# Altium PCB Pan-tilt190726.PcbDoc
Units mil, origin at the board's own origin, x right, y up, seen from the top; angles counter-clockwise.
Board outline 2559.06 x 1889.76 mil, 2 copper layers (Top Layer, Bottom Layer); 49 components, 39 nets, 234 pads, 28 vias.
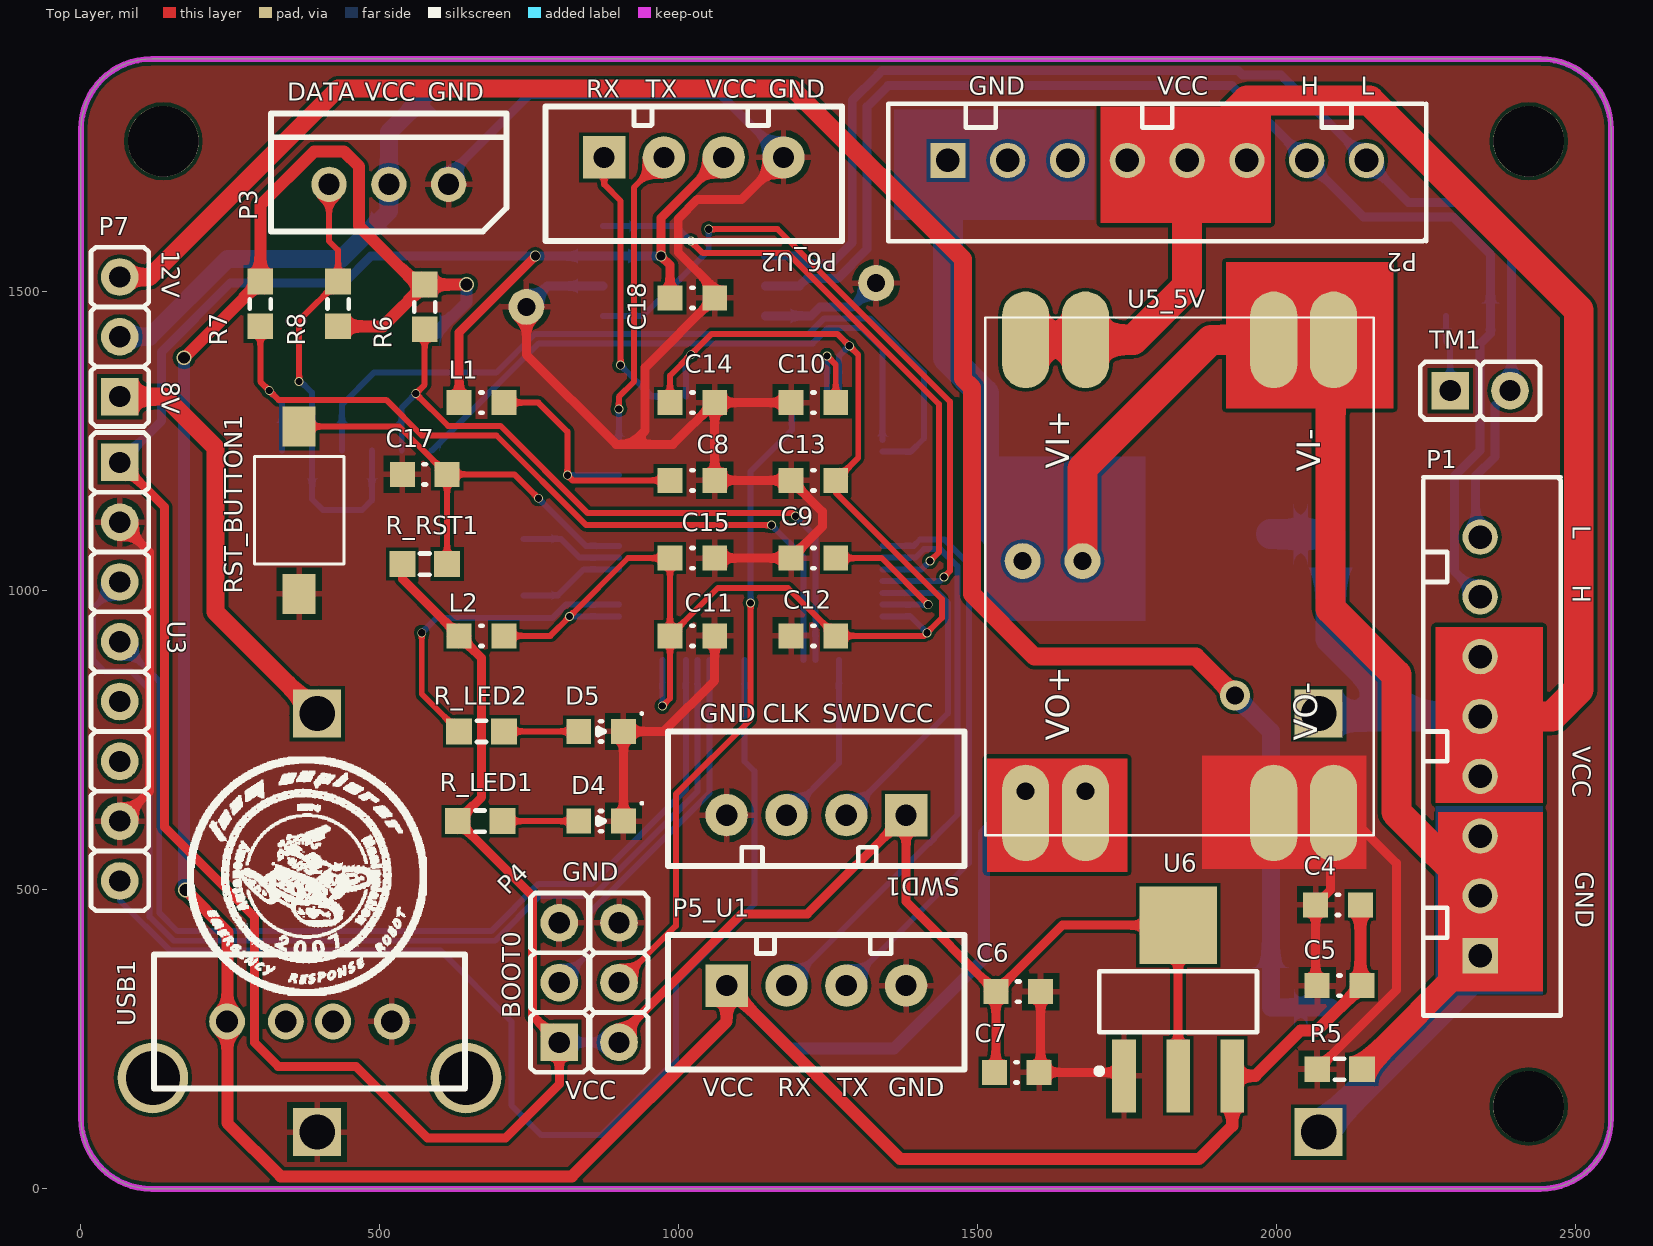
[diagram p0: Top Layer view]
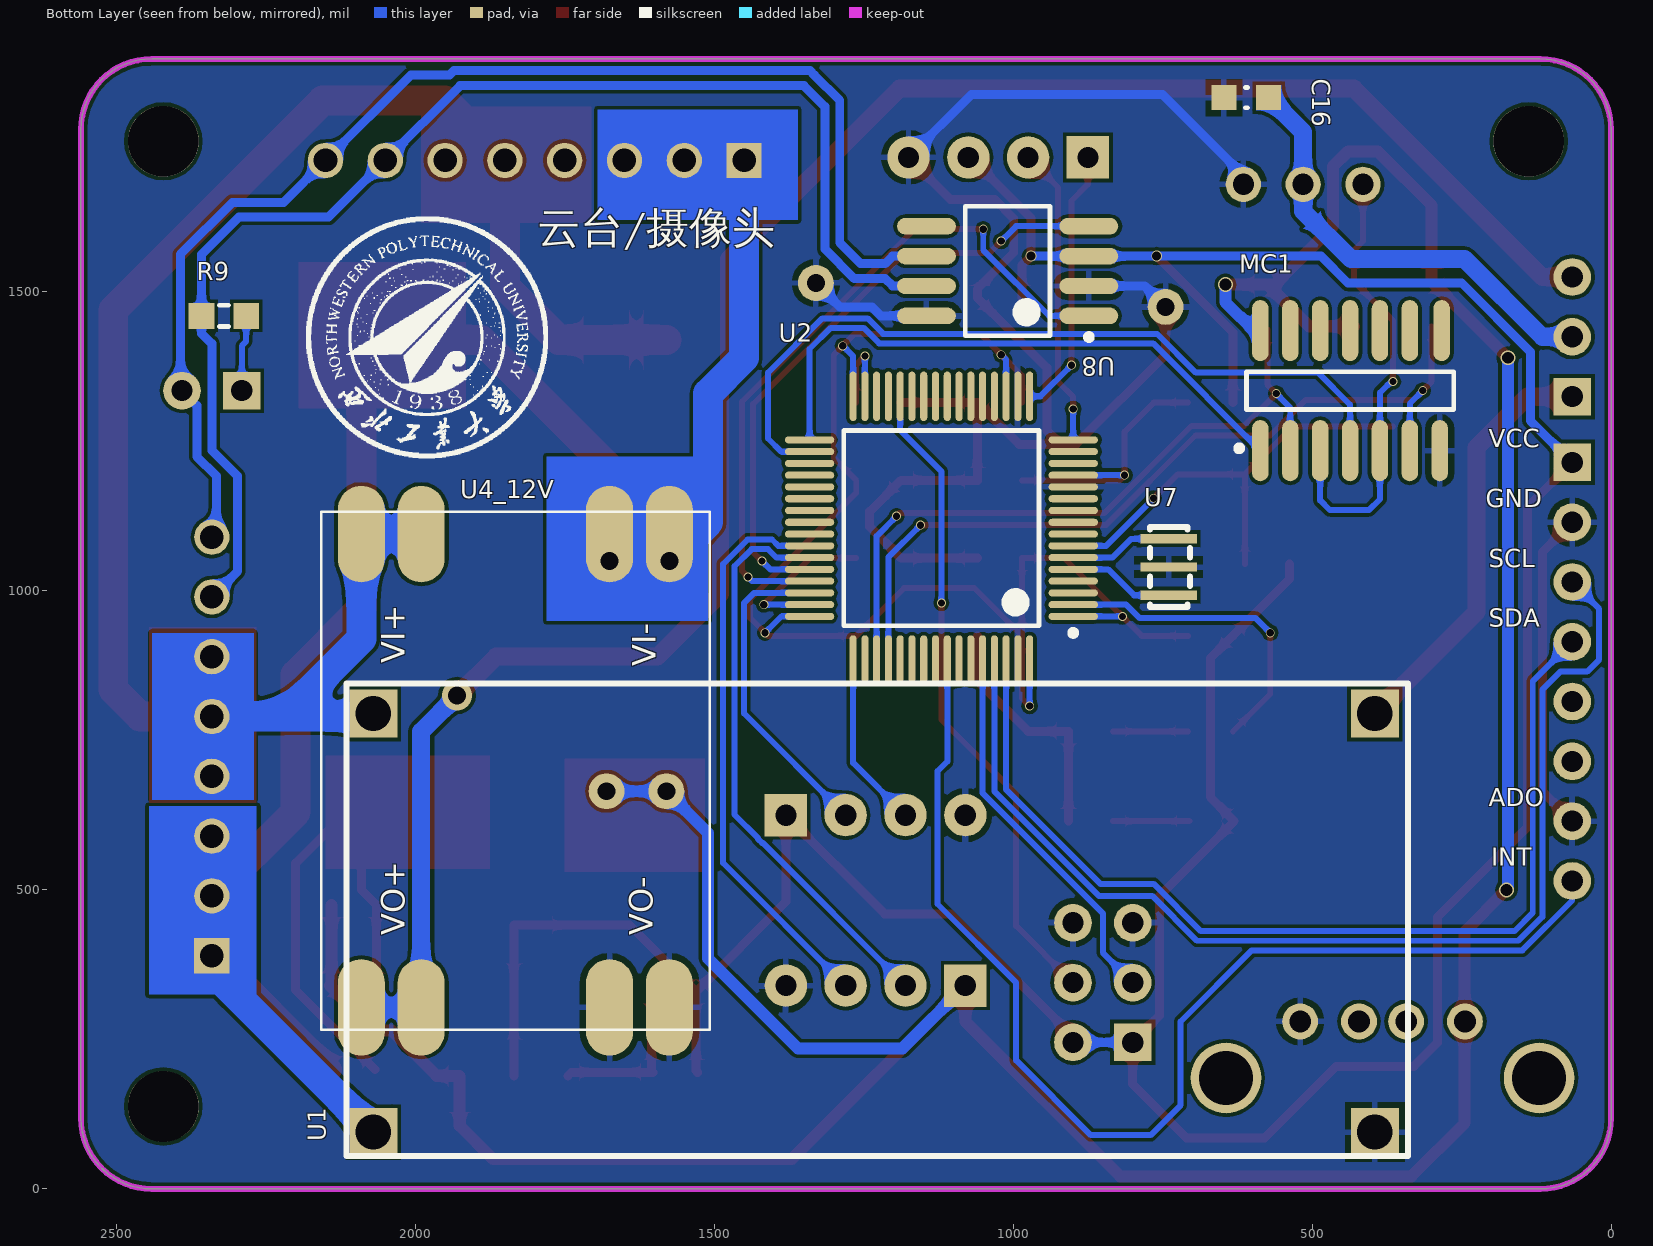
[diagram p1: Bottom Layer view, seen from below]

## Layer stack, top to bottom
Top Solder: solder mask 0.4, Solder Resist, Dk 3.5
Top Layer: signal copper 1.4
Dielectric 1: dielectric 12.6, FR-4, Dk 4.8
Bottom Layer: signal copper 1.4
Bottom Solder: solder mask 0.4, Solder Resist, Dk 3.5

## Board outline
0,118.11 0,1771.65 cw(c118.11,1771.65) 118.11,1889.76 2440.94,1889.76 cw(c2440.94,1771.65) 2559.06,1771.65 2559.06,118.11 cw(c2440.94,118.11) 2440.94,0 118.11,0 cw(c118.11,118.11)

## Design rules (kind name [scope] priority, off if disabled: settings)
Clearance [All] p1: gap=6 ignorepadtopadclearanceinfootprint=FALSE
DiffPairsRouting [All] p1: maxlimit=10 minlimit=10 mostfreqgap=10 toplayer_minwidth=15 toplayer_maxwidth=15 toplayer_prefwidth=15 bottomlayer_minwidth=15 bottomlayer_maxwidth=15 bottomlayer_prefwidth=15 maxuncoupledlength=500
PolygonConnect [All] p1: connectstyle=Relief reliefconductorwidth=10 reliefentries=4 polygonreliefangle="90 Angle" airgapwidth=10
RoutingVias [All] p1: holewidth=12 width=15 viastyle="Through Hole" minholewidth=12 minwidth=15 maxholewidth=28 maxwidth=50
SolderMaskExpansion [All] p1: expansion=4
Width [All] p1: maxlimit=50 minlimit=10 preferedwidth=10
Width Width_7 [InNet('VCC_8')] p2: maxlimit=50 minlimit=10 preferedwidth=30
Width Width_1 [InNet('VCC_12')] p3: maxlimit=30 minlimit=10 preferedwidth=30
Width Width_2 [InNet('PGND')] p4: maxlimit=50 minlimit=10 preferedwidth=20
Width Width_3 [InNet('VCC_5')] p5: maxlimit=25 minlimit=10 preferedwidth=20
Width Width_4 [InNet('VCC_3.3')] p6: maxlimit=20 minlimit=10 preferedwidth=15
Width Width_5 [InNet('GND')] p7: maxlimit=50 minlimit=10 preferedwidth=15
Width Width_6 [All] p8: maxlimit=15 minlimit=10 preferedwidth=10
29 further rules are at their usual default settings.

## Classes and differential pairs
differential pair CAN1: +CAN1_P -CAN1_N

## Components (designator, comment, footprint, x,y, rotation, side; value= is the part's Value field where it differs from the comment)
C4 "104" C0603/1608 2102.4,475 r180 top
C5 "104" C0603/1608 2105,340 r180 top
C6 "104" C0603/1608 1567.6,330 r0 top
C7 "104" C0603/1608 1565,195 r0 top
C8 "104" C0603/1608 1022.6,1185 r180 top
C9 "225" C0603/1608 1225,1055 r180 top
C10 "225" C0603/1608 1225,1315 r180 top
C11 "104" C0603/1608 1022.6,925 r0 top
C12 "104" C0603/1608 1225,925 r180 top
C13 "104" C0603/1608 1225,1185 r180 top
C14 "104" C0603/1608 1022.6,1315 r0 top
C15 "104" C0603/1608 1022.6,1055 r0 top
C16 "104" C0603/1608 610,1825 r180 bottom
C17 "104" C0603/1608 575,1195 r0 top
C18 "104" C0603/1608 1022.6,1490 r180 top
D4 "LED Green" LED0603-绿色 870,615 r0 top
D5 "LED Green" LED0603-绿色 870,765 r0 top
L1 "UPZ1608E101" L0603/1608 670,1315 r0 top
L2 "UPZ1608E101" L0603/1608 670,925 r0 top
MC1 "74hc126" SOP-14 435,1335 r90 bottom
P1 "Header 8" XH2.54-8P（立式） 2340,390 r90 top
P2 "Header 8" XH2.54-8P（立式） 1450,1720 r0 top
P3 "舵机接口" 5263-3P（立式） 515,1680 r180 top
P4 "Header 3X2" Header-2.54-2*3P（立式） 800,245 r90 top
P5_U1 "Header-1*4P" XH2.54-4P（立式） 1230,340 r180 top (schematic designator P5)
P6_U2 "Header-1*4P" XH2.54-4P（立式） 1025,1725 r180 top (schematic designator P6)
P7 "Header 3" Header-2.54-1*3P（立式） 65,1325 r90 top
R5 "0R" R0603/1608 2105,200 r180 top
R6 "10KΩ" R0603/1608 575,1475 r90 top
R7 "10KΩ" R0603/1608 300,1480 r90 top
R8 "10KΩ" R0603/1608 430,1480 r270 top
R9 "120R" R0603/1608 2320,1460 r180 bottom
R_LED1 "1K" R0603/1608 667.6,615 r0 top
R_LED2 "4.7K" R0603/1608 670,765 r0 top
R_RST1 "R_10K" R0603/1608 575,1045 r0 top
RST_BUTTON1 "RST_BUTTON" SW-PB 365,1135 r270 top
SWD1 "SWD" XH2.54-4P（立式） 1230,625 r0 top
TM1 "Header2" Header-2.54-1*2P（立式） 2290,1335 r0 top
U1 "LM2596" LM2596_big 1283.43,476.89 r270 bottom
U2 "STM32F405RGT6" LQFP64 1120,1105 r0 bottom
U3 "mpu6050" Header-2.54-1*8P（立式） 65,1215 r270 top
U4_12V "降压DM02" DM02 2089.96,1095 r90 bottom (schematic designator U4)
U5_5V "降压DM02" DM02 1580,1420 r90 top (schematic designator U5)
U6 "1117_WYN" SOT-223 1835,315 r90 top
U7 "XTAL_3312" XTAL-3213 740,1040 r90 bottom
U8 "TJA1050" SOP-8 1009.17,1535 r0 bottom
USB1 "USB_A" "USB_A Receptacle - 直插" 382.2,280 r0 top
云台/摄像头 "Comment" Logo-nwpu 1970,1430 r180 bottom
? "Comment" logo_RESCUE 380,510 r0 top

## Footprints (in the part's own frame and the unit in brackets; to place one, negate y for a bottom-side part, rotate by r counter-clockwise, add the part's x,y. Pads: shape width x height; smd on the part's side, far side on the other; paste and mask are expansions set on the pad)
5263-3P（立式） [mm]
  round 1.5 hole 0.9: 1(-2.54,0) 2(0,0) 3(2.54,0)
  silkscreen extent -5,-3 5,2, body extent -5.08,-3.18 5.08,2.16, height 6
C0603/1608 [mm] "0603/1608贴片陶瓷电容"
  rect 1.06x1.06 smd: 1(-0.95,0) 2(0.95,0)
  silkscreen extent -0.05,-0.43 0.05,0.43, body extent -1.29,-0.48 1.31,0.53, height 0.95
DM02 [mm] "DM02稳压模块"
  oval 4.1x2 smd: 1(0,-2.54) 1(0,0) 2(0,-10.54) 3(-20.1,-2.54) 3(-20.1,0) 4(-20.1,-13.08) 4(-20.1,-10.54)
  oval 4.1x2 smd mask+0.102: 2(0,-13.08)
  silkscreen extent -21.05,-14.79 0.95,1.71, body extent -20.95,-14.74 0.89,1.64, height 4
Header-2.54-1*2P（立式） [mm] "2.54mm间距单排立式排针2P"
  rect 1.6x1.6 hole 0.9: 1(0,0)
  round 1.6 hole 0.9: 2(2.54,0)
  silkscreen extent -1.27,-1.23 3.81,1.23, body extent -1.27,-1.27 3.81,1.27, height 8.54
Header-2.54-1*3P（立式） [mm] "2.54mm间距单排立式排针3P"
  rect 1.6x1.6 hole 0.9: 1(0,0)
  round 1.6 hole 0.9: 2(2.54,0) 3(5.08,0)
  silkscreen extent -1.27,-1.23 6.35,1.23, body extent -1.27,-1.27 6.35,1.27, height 8.54
Header-2.54-1*8P（立式） [mm] "2.54mm间距单排立式排针8P"
  rect 1.6x1.6 hole 0.9: 1(0,0)
  round 1.6 hole 0.9: 2(2.54,0) 3(5.08,0) 4(7.62,0) 5(10.16,0) 6(12.7,0) 7(15.24,0) 8(17.78,0)
  silkscreen extent -1.27,-1.23 19.05,1.23, body extent -1.27,-1.27 19.05,1.27, height 8.54
Header-2.54-2*3P（立式） [mm] "2.54mm间距双排立式排针3P"
  rect 1.6x1.6 hole 0.9: 1(0,0)
  round 1.6 hole 0.9: 2(0,-2.54) 3(2.54,0) 4(2.54,-2.54) 5(5.08,0) 6(5.08,-2.54)
  silkscreen extent -1.27,-3.77 6.35,1.23, body extent -1.27,-3.81 6.35,1.27, height 8.54
L0603/1608 [mm] "0603/1608贴片磁珠"
  rect 1.06x1.06 smd: 1(-0.95,0) 2(0.95,0)
  silkscreen extent -0.05,-0.43 0.05,0.43, body extent -0.9,-0.5 0.9,0.5, height 1
LED0603-绿色 [mm]
  rect 1.06x1.06 smd: 1(-0.95,0) 2(0.95,0)
  silkscreen extent -0.13,-0.43 1.78,0.81, body extent -0.8,-0.4 0.8,0.4, height 0.35
LM2596_big [mil]
  rect 80x80 hole 59.06: 1(-318.11,-786.57) 2(381.89,-786.57) 3(-318.11,888.43) 4(381.89,888.43)
  silkscreen extent -368,-832 422,943, body extent -387,-801 440,911, height 520
Logo-nwpu [mil]
  silkscreen extent -212,-208 192,195
logo_RESCUE [mil]
  silkscreen extent -202,-186 198,213
LQFP64 [mm]
  oval 2.1x0.3 smd: 1(-5.6,3.75) 2(-5.6,3.25) 3(-5.6,2.75) 4(-5.6,2.25) 5(-5.6,1.75) 6(-5.6,1.25) 7(-5.6,0.75) 8(-5.6,0.25) 9(-5.6,-0.25) 10(-5.6,-0.75) 11(-5.6,-1.25) 12(-5.6,-1.75) 13(-5.6,-2.25) 14(-5.6,-2.75) 15(-5.6,-3.25) 16(-5.6,-3.75) 33(5.6,-3.75) 34(5.6,-3.25) 35(5.6,-2.75) 36(5.6,-2.25) 37(5.6,-1.75) 38(5.6,-1.25) 39(5.6,-0.75) 40(5.6,-0.25) 41(5.6,0.25) 42(5.6,0.75) 43(5.6,1.25) 44(5.6,1.75) 45(5.6,2.25) 46(5.6,2.75) 47(5.6,3.25) 48(5.6,3.75)
  oval 0.3x2.1 smd: 17(-3.75,-5.6) 18(-3.25,-5.6) 19(-2.75,-5.6) 20(-2.25,-5.6) 21(-1.75,-5.6) 22(-1.25,-5.6) 23(-0.75,-5.6) 24(-0.25,-5.6) 25(0.25,-5.6) 26(0.75,-5.6) 27(1.25,-5.6) 28(1.75,-5.6) 29(2.25,-5.6) 30(2.75,-5.6) 31(3.25,-5.6) 32(3.75,-5.6) 49(3.75,5.6) 50(3.25,5.6) 51(2.75,5.6) 52(2.25,5.6) 53(1.75,5.6) 54(1.25,5.6) 55(0.75,5.6) 56(0.25,5.6) 57(-0.25,5.6) 58(-0.75,5.6) 59(-1.25,5.6) 60(-1.75,5.6) 61(-2.25,5.6) 62(-2.75,5.6) 63(-3.25,5.6) 64(-3.75,5.6)
  silkscreen extent -5.72,-4.15 4.15,4.57, body extent -6,-6 6,6, height 1.6
R0603/1608 [mm] "0603/1608贴片电阻"
  rect 1.1x1.1 smd: 1(-0.95,0) 2(0.95,0)
  silkscreen extent -0.2,-0.45 0.2,0.45, body extent -0.8,-0.4 0.8,0.4, height 0.45
SOP-8 [mm]
  oval 2.5x0.7 smd: 1(-3.45,1.905) 2(-3.45,0.635) 3(-3.45,-0.635) 4(-3.45,-1.905) 5(3.45,-1.905) 6(3.45,-0.635) 7(3.45,0.635) 8(3.45,1.905)
  silkscreen extent -3.57,-2.75 1.8,2.93, body extent -2.73,-2.75 2.73,2.75, height 2.13
SOP-14 [mm]
  oval 2.6x0.7 smd: 1(-2.55,3.85) 2(-2.55,2.58) 3(-2.55,1.31) 4(-2.55,0.04) 5(-2.55,-1.23) 6(-2.55,-2.5) 7(-2.55,-3.77) 8(2.55,-3.85) 9(2.55,-2.5) 10(2.55,-1.23) 11(2.55,0.04) 12(2.55,1.31) 13(2.55,2.58) 14(2.55,3.85)
  silkscreen extent -2.57,-4.36 0.8,4.88, body extent -2,-4.34 2,4.42, height 1.75
SOT-223 [mm]
  rect 3.1x1 smd: 1(-3.2,2.3) 2(-3.2,0) 3(-3.2,-2.3)
  rect 3.3x3.3 smd: 4(3.2,0)
  silkscreen extent -3.12,-3.35 1.25,3.47, body extent -1.9,-3.35 1.8,3.35, height 1.8
SW-PB [mm] "2脚贴片按键"
  rect 1.7x1.4 smd: 1(-3.556,0) 2(3.556,0)
  silkscreen extent -2.29,-1.9 2.29,1.91, body extent -5,-1.75 5,1.75, height 4.3
"USB_A Receptacle - 直插" [mm]
  round 1.524 hole 0.92: 1(-3.5,0) 2(-1,0) 3(1,0) 4(3.5,0)
  round 3 hole 2.3: 5(-6.65,-2.4) 5(6.65,-2.4)
  silkscreen extent -6.6,-2.85 6.6,2.85
XH2.54-4P（立式） [mm] "立式直针座子"
  rect 1.8x1.8 hole 0.9: 1(3.81,0)
  round 1.8 hole 0.9: 2(1.27,0) 3(-1.27,0) 4(-3.81,0)
  silkscreen extent -6.3,-2.16 6.3,3.56, body extent -6.18,-2.24 6.22,3.51, height 7
XH2.54-8P（立式） [mm]
  rect 1.5x1.5 hole 1: 1(0,0)
  round 1.5 hole 1: 2(2.54,0) 3(5.08,0) 4(7.62,0) 5(10.16,0) 6(12.7,0) 7(15.24,0) 8(17.78,0)
  silkscreen extent -2.54,-3.43 20.32,2.41, body extent -2.31,-3.34 20.09,2.41, height 7
XTAL-3213 [mm]
  rect 0.4x2.4 smd: 1(-1.2,0) 2(0,0) 3(1.2,0)
  silkscreen extent -1.7,-0.9 1.7,0.8, body extent -1.63,-0.76 1.57,0.74, height 0.8

## Part data
C4 C5 C6 C7 C16 C18: library part CAP_WYN
C8 C9 C10 C11 C12 C13 C14 C15 C17: library part Capacitor
D4 D5: library part LED, Color=Green
L1 L2: library part 磁珠, "贴片磁珠"
P1 P2: "Header, 8-Pin", LatestRevisionDate=17-Jul-2002, LatestRevisionNote="Re-released for DXP Platform.", Publisher="Altium Limited"
P4: "Header, 3-Pin, Dual row", LatestRevisionDate=17-Jul-2002, LatestRevisionNote="Re-released for DXP Platform.", Publisher="Altium Limited"
P5_U1 P6_U2: "单排4P排针"
P7: "Header, 3-Pin", LatestRevisionDate=17-Jul-2002, LatestRevisionNote="Re-released for DXP Platform.", Publisher="Altium Limited"
R5 R9: library part Resistor
R6 R7 R8 R_LED1 R_LED2: library part RES_WYN
R_RST1: library part R
U1: library part 降压DM02
U2: "微控制器STM32F405RGT6"

## Free pads (board coordinates)
  round 118.11 hole 118.11: 30(137.8,1751.97) 30(2421.26,137.8) 30(2421.26,1751.97)
  round 60 hole 30: 31(1580,665) 32(1680,665) 33(1575,1050) 34(1675,1050) 35(745,1475) 36(1330,1515)

## Via types
v1: diameter 15, hole 12, Top Layer to Bottom Layer, 22 vias
v2: diameter 25, hole 20, Top Layer to Bottom Layer, 3 vias
v3: diameter 18, hole 15, Top Layer to Bottom Layer, 2 vias
v4: diameter 50, hole 30, Top Layer to Bottom Layer, 1 vias

## Nets (pads, with @x,y where several pads share a name; then routed paths per layer and width w, separated by ;. In a path a pad name is that pad's centre, name@x,y a point inside that pad or via, vN(x,y) a via of type N, cw(c..) or ccw(c..) an arc to the next point about the centre after c; other vN are vias at no path point)
AX12_DATA: MC1.3 MC1.5 P3.3 R8.1 | length 768
  Top Layer w10: v1(365,1350) 365,1452.4 R8.1 430,1570 415,1585 P3.3
  Bottom Layer w10: v1(365,1350) 368.15,1350 386.57,1331.57 MC1.5 386.57,1153.43 405,1135 470,1135 486.57,1151.57 MC1.3
BOOT0: P4.3 U2.60 | length 643.5
  Bottom Layer w10: P4.3 850,395 850,460.67 1051.1,661.77 U2.60
BOOT1: P4.4 U2.28 | length 1100.1
  Top Layer w10: P4.4 995,440 995,660 1120,785 v1(1120,980)
  Bottom Layer w10: v1(1120,980) 1120,1200 1188.9,1268.9 U2.28
CAN1_N: P1.8 P2.8 TM1.2 U8.6 | length 2153.5
  Bottom Layer w15: U8.6 1201.71,1560 1214.21,1547.5 1255,1547.5 1290,1582.5 1290,1820.36 1332.32,1862.68 1339.64,1870 1935.36,1870 1942.68,1862.68 2007.32,1862.68 P2.8 2220,1650 2305.36,1650 2392.56,1562.8 2392.56,1337.56 TM1.2 2365,1310 2365,1224.64 2332.68,1192.32 2332.68,1097.32 P1.8
CAN1_P: P1.7 P2.7 R9.1 U8.7 | length 2222.9
  Bottom Layer w15: U8.7 1201.71,1510 1214.21,1522.5 1265.36,1522.5 1315,1572.14 1315,1810 1350,1845 1925,1845 P2.7 2145,1625 2295,1625 2357.4,1562.6 R9.1 2357.4,1430.85 2340,1413.45 2340,1235 2296.97,1191.97 2296.97,1033.03 P1.7
CAN1_RX: U2.44 U8.4 | length 1038.8
  Top Layer w10: v1(1020,1585) 1040,1565 1182.37,1565 1435,1312.37 1435,1065 v1(1420,1050)
  Bottom Layer w10: U8.4 995,1610 v1(1020,1585) ; U2.44 1406.1,1036.1 v1(1420,1050)
CAN1_TX: U2.45 U8.1 | length 1183.3
  Top Layer w10: v1(1050,1605) 1165,1605 1453.5,1316.5 1453.5,1033.5 v1(1443.21,1023.21)
  Bottom Layer w10: U8.1 940,1460 1050,1570 v1(1050,1605) ; U2.45 1436.42,1016.42 v1(1443.21,1023.21)
GND: C4.2 C5.2 C6.2 C7.2 C8.1 C9.2 C10.2 C11.2 C12.2 C13.2 C14.2 C15.2 C16.1 C17.1 C18.1 D4.2 D5.2 MC1.7 P3.1 P4.5 P4.6 P5_U1.4 P6_U2.4 pad.35 pad.36 R5.2 RST_BUTTON1.2 SWD1.4 U1.4 U2.12 U2.18 U2.63 U3.2 U3.7 U4_12V.4 U5_5V.4 U6.1 U7.2 U8.2 U8.8 USB1.4 | length 4965.2
  Top Layer w15: U3.7 115,665 115,1065 U3.2 ; pad.35 745,1395 895,1245 920,1245 ; D4.2 D5.2 975,765 1060,850 C11.2 ; C15.2 C9.2 1240,1107.4 1240,1132.6 C13.2 C8.1 C14.2 ; P6_U2.4 1105,1655 1031.16,1655 999,1622.84 999,1566 1060,1505 C18.1 943.5,1373.5 943.5,1268.5 920,1245 ; C10.2 C14.2 ; C6.2 1605,197.6 C7.2 1738.46,195 U6.1 ; R5.2 2200,332.4 2200,545 2110,635 2090,635 2090,500 C4.2 2065,342.6 C5.2 ; 920,1245 990,1245 C14.2
  Bottom Layer w15: P3.1 615,1695 750,1830 1070,1830 P6_U2.4 ; pad.35 780,1510 U8.2 ; U8.8 1221.21,1460 1235.71,1474.5 1289.5,1474.5 pad.36
INT: U2.57 U3.8 | length 1989.7
  Bottom Layer w10: U3.8 65,482.37 148.37,399 601,399 720,280 720,140 770,90 870,90 995,215 995,345 1126.43,476.43 1126.43,698.57 1110.16,714.84 U2.57
LED: R_LED2.1 U2.2 | length 539.9
  Top Layer w10: v1(570,930) 570,827.6 R_LED2.1
  Bottom Layer w10: v1(570,930) 595,955 788.84,955 810.88,977.05 U2.2
NetC8_2: C8.2 L1.2 U2.13 | length 460.3
  Top Layer w10: L1.2 765,1315 813.58,1266.42 v1(813.58,1193.58) 822.17,1185 C8.2
  Bottom Layer w10: v1(813.58,1193.58) U2.13
NetC9_1: C9.1 U2.47 | length 263.5
  Top Layer w10: C9.1 1339.09,1055 v1(1417.05,977.05)
  Bottom Layer w10: U2.47 v1(1417.05,977.05)
NetC10_1: C10.1 U2.31 | length 151.4
  Top Layer w10: v1(1247.95,1392.95) 1262.4,1378.5 C10.1
  Bottom Layer w10: U2.31 v1(1247.95,1392.95)
NetC11_1: C11.1 C12.1 C13.1 C14.1 C15.1 L2.2 U2.1 U2.19 U2.32 U2.48 U2.64 | length 2460.5
  Top Layer w10: L2.2 785,925 v1(817.36,957.36) 915,1055 C15.1 C11.1 ; v1(972.36,807.36) 985.2,820.2 C11.1 ; C14.1 985.2,1360.2 v1(1020,1395) 1055,1430 1265,1430 v1(1285,1410) 1300,1395 1300,1222.6 C13.1 1262.4,1164.02 1440,986.42 1440,955 v1(1415,930) 1410,925 C12.1 1182.4,1005 1065.2,1005 C11.1
  Bottom Layer w10: v1(817.36,957.36) U2.1 ; v1(972.36,807.36) U2.64 ; U2.19 1011.73,1386.73 v1(1020,1395) ; U2.32 1267.64,1392.64 v1(1285,1410) ; U2.48 1387.64,957.36 v1(1415,930)
NetD4_1: D4.1 R_LED1.2 | length 127.6
  Top Layer w10: R_LED1.2 D4.1
NetD5_1: D5.1 R_LED2.2 | length 125.2
  Top Layer w10: R_LED2.2 D5.1
NetR9_2: R9.2 TM1.1 | length 128.1
  Bottom Layer w10: R9.2 2282.6,1417.4 2290,1410 TM1.1
OSC_IN: U2.5 U7.1 | length 177.5
  Bottom Layer w10: U7.1 797.76,992.76 841.1,1036.1 U2.5
OSC_OUT: U2.6 U7.3 | length 172.6
  Bottom Layer w10: U7.3 802.76,1087.24 834.21,1055.79 U2.6
PB12: MC1.1 U2.33 | length 1005.6
  Bottom Layer w10: MC1.1 765.97,1414 1224,1414 1250,1440 1305,1440 1340.47,1404.53 U2.33
PB13: MC1.4 U2.34 | length 1336.6
  Bottom Layer w10: MC1.4 436.57,1311.57 490,1365 694.34,1365 759.34,1430 1217.37,1430 1243.37,1456 1319,1456 1410,1365 1410,1255 1387.95,1232.95 U2.34
PGND: P1.1 P1.2 P1.3 P2.1 P2.2 P2.3 pad.33 pad.34 R5.1 U1.2 U4_12V.2 U5_5V.2 | length 3098.8
  Top Layer w20: P1.1@2332.4,390 P1.1
  Top Layer w40: R5.1 P1.1@2332.4,390
  Top Layer w50: pad.34 1675,1205 1890,1420 U5_5V.2@1994.96,1420 ; U5_5V.2@2090,1416.34 2090,970 2200,860 2200,630 P1.2
  Bottom Layer w10: P1.1@2340,365 P1.1
  Bottom Layer w50: P2.1 1450,1390 1510,1330 1510,1115 pad.33 pad.34 ; U1.2 P1.1@2340,365
RST: C17.2 R_RST1.2 RST_BUTTON1.1 U2.7 | length 767.2
  Top Layer w10: RST_BUTTON1.1 532.4,1275 C17.2 ; R_RST1.2 C17.2 ; v1(765,1155) 725,1195 C17.2
  Bottom Layer w10: v1(765,1155) 844.53,1075.47 U2.7
SCL: U2.61 U3.3 | length 1900.6
  Bottom Layer w10: U3.3 20,970 20,885 40,865 85,865 115,835 115,455 155,415 692.63,415 767.63,490 856.71,490 1031.42,664.71 U2.61
SDA: U2.62 U3.4 | length 1689
  Bottom Layer w10: U3.4 131,849 131,461.63 161.63,431 686,431 765,510 854.08,510 1011.73,667.65 U2.62
ServoPower: C16.2 P3.2 P7.2 | length 750.8
  Bottom Layer w30: P7.2 115,1425 245,1555 435,1555 515,1635 P3.2 515,1767.4 C16.2
SWCLK: SWD1.3 U2.49 | length 295.8
  Bottom Layer w10: SWD1.3 1267.64,712.64 U2.49
SWDIO: SWD1.2 U2.46 | length 541.9
  Bottom Layer w10: SWD1.2 1450,795 1450,980 1433.27,996.73 U2.46
U1_RX: P5_U1.2 U2.43 | length 963.9
  Bottom Layer w10: P5_U1.2 1418.57,578.57 1419.99,578.57 1426.43,585.01 1426.43,586.43 1466,626 1466,1041.37 1437.37,1070 1410,1070 1395.79,1055.79 U2.43
U1_TX: P5_U1.3 U2.42 | length 955.8
  Bottom Layer w10: P5_U1.3 1485,545 1485,1045 1444,1086 1403.37,1086 1392.85,1075.47 U2.42
U2_RX: P6_U2.1 U2.17 | length 450.3
  Top Layer w10: P6_U2.1 875,1680 902.5,1652.5 v1(902.5,1377.5)
  Bottom Layer w10: v1(902.5,1377.5) 954.53,1325.47 U2.17
U2_TX: P6_U2.2 U2.16 | length 503.6
  Top Layer w10: v1(899.53,1304.53) 899.53,1324.53 925,1350 925,1675 P6_U2.2
  Bottom Layer w10: U2.16 v1(899.53,1304.53)
U3_RX: MC1.6 R7.1 U2.52 | length 1404
  Top Layer w10: R7.1 300,1350 v1(315,1335) 330.54,1319.46 510.56,1319.46 570.03,1260 695,1260 845,1110 v1(1155,1110)
  Bottom Layer w10: v1(315,1335) 336.57,1313.43 MC1.6 ; v1(1155,1110) 1208.58,1056.42 U2.52
U3_TX: MC1.2 R6.1 U2.51 | length 1193.1
  Top Layer w10: R6.1 575,1345 v1(560,1330) 614,1276 701.63,1276 847.63,1130 1190,1130 v1(1195,1125)
  Bottom Layer w10: MC1.2 536.57,1306.57 v1(560,1330) ; v1(1195,1125) 1228.27,1091.73 U2.51
VCC_3.3: C6.1 C7.1 C18.2 L1.1 L2.1 P4.1 P4.2 P6_U2.3 R_LED1.1 R_RST1.1 SWD1.1 U3.1 U6.2 U6.4 U8.3 | length 6227.6
  Top Layer w15: U3.1 140,1140 140,605 290,455 290,245 330,205 460,205 580,85 710,85 800,175 P4.1 755,290 755,490.2 R_LED1.1 630.2,615.2 670,655 670,887.6 L2.1 537.6,1020 R_RST1.1 ; L1.1 632.6,1432.6 v3(760,1560) ; P4.2 900,255 1105,460 1215,460 SWD1.1 1380,480.2 C6.1 ; C18.2 985.2,1544.8 v3(970,1560) 970,1623.54 1071.46,1725 P6_U2.3 ; C7.1 1530.2,197.6 C6.1 ; U6.2 U6.4 1641.18,440.98 C6.1
  Bottom Layer w15: U3.1 135,1285 135,1400 250,1515 440,1515 485,1560 v3(760,1560) U8.3 v3(970,1560) ; P4.1 P4.2
VCC_5: C4.1 C5.1 MC1.14 P5_U1.1 pad.31 pad.32 R6.2 R7.2 R8.2 U5_5V.3 U6.3 USB1.1 | length 5908.1
  Top Layer w20: v2(172.6,1390) R7.2 300,1645 390,1735 440,1735 465,1710 465,1610 562.6,1512.4 R6.2 ; v2(175,500) 245,430 245,110 334,21 821,21 1080,280 P5_U1.1 1370,50 1870,50 1925.55,105.55 U6.3 1964.02,189.02 2040,265 2067.4,265 C5.1 2139.8,342.6 C4.1 ; R8.2 505.2,1442.6 R6.2 ; v2(645,1512.4) R6.2
  Bottom Layer w10: MC1.14 MC1.14@591.97,1430
  Bottom Layer w20: v2(172.6,1390) 172.6,502.4 v2(175,500) ; MC1.14@591.97,1430 645,1483.03 v2(645,1512.4) ; P5_U1.1 1185,235 1360,235 1510,385 1510,595 pad.31 pad.32
VCC_8: P7.1 U1.3 | length 710.6
  Top Layer w30: P7.1 140,1325 225,1240 225,965 U1.3
VCC_12: P7.3 U4_12V.3 | length 3381.3
  Top Layer w30: P7.3 115,1525 430,1840 1190,1840 1475,1555 1475,1355 1490,1340 1490,995 1595,890 1865,890 v4(1930,825)
  Bottom Layer w30: v4(1930,825) 1989.96,765.04 1989.96,303.66 U4_12V.3@2089.96,303.66
VCC_24: P1.4 P1.5 P1.6 P2.4 P2.5 P2.6 U1.1 U4_12V.1 U5_5V.1 | length 2908.3
  Top Layer w50: U5_5V.1@1580,1420 1680,1420 1760,1420 1850,1510 P2.5 1950,1820 2155,1820 2505,1470 2505,835 2460,790 P1.5
  Bottom Layer w10: U1.1 U1.1@2075,790
  Bottom Layer w50: U4_12V.1@1989.96,1095 2089.96,1095 2089.96,920.04 2220,790 ; U1.1@2075,790 2220,790 ; P1.5 2220,790
pads on no net: MC1.8 MC1.9 MC1.10 MC1.11 MC1.12 MC1.13 U2.3 U2.4 U2.8 U2.9 U2.10 U2.11 U2.14 U2.15 U2.20 U2.21 U2.22 U2.23 U2.24 U2.25 U2.26 U2.27 U2.29 U2.30 U2.35 U2.36 U2.37 U2.38 U2.39 U2.40 U2.41 U2.50 U2.53 U2.54 U2.55 U2.56 U2.58 U2.59 U3.5 U3.6 U8.5 USB1.2 USB1.3 USB1.5

## Polygon pours and split planes (outlines as drawn)
GND on Bottom Layer "GND_L02_P036" (solid, remove dead copper, pour order 36): -200,2185 -165,2150 2835,2150 2835,-55 2545,-345 -440,-345
GND on Top Layer "GND_L01_P038" (solid, remove dead copper, pour order 38): 0,2200 2575,2200 3195,1580 3195,-235 -640,-235 -650,-245

## Keep-outs
Keep-Out Layer:
  the board outline again, w10

## Other copper
Top Layer:
  rectangle net PGND: 1915,1305 2195,1550
  rectangle net VCC_24: 2265,645 2445,940
  rectangle net VCC_24: 1705,1615 1990,1810
  rectangle net GND: 1875,535 2150,725
  rectangle net VCC_5: 1515,530 1750,720
  rectangle net PGND: 2270,330 2445,630
Bottom Layer:
  rectangle net PGND: 2265,325 2445,640
  rectangle net PGND: 1360,1620 1695,1805
  rectangle net PGND: 1510,950 1780,1225
  rectangle net VCC_24: 2270,650 2440,930

## Silkscreen, mask and mechanical layers (free items; w line width, h text height)
Top Overlay:
  text "GND" at 1485,1830 h30
  text "VCC" at 1800,1830 h30
  text "H" at 2040,1830 h30
  text "L" at 2140,1830 h30
  text "RX" at 845,1825 h30
  text "TX" at 945,1825 h30
  text "VCC" at 1045,1825 h30
  text "GND" at 1150,1825 h30
  text "DATA" at 345,1820 h30
  text "VCC" at 475,1820 h30
  text "GND" at 580,1820 h30
  text "12V" at 135,1570 h30 r270
  text "8V" at 135,1350 h30 r270
  text "L" at 2495,1110 h30 r270
  text "H" at 2495,1010 h30 r270
  text "GND" at 1035,780 h30
  text "CLK" at 1140,780 h30
  text "SWD" at 1240,780 h30
  text "VCC" at 1340,780 h30
  text "VCC" at 2495,740 h30 r270
  text "GND" at 2500,530 h30 r270
  text "GND" at 805,515 h30
  text "BOOT0" at 735,285 h30 r90
  text "VCC" at 1040,155 h30
  text "RX" at 1165,155 h30
  text "TX" at 1265,155 h30
  text "GND" at 1350,155 h30
  text "VCC" at 810,150 h30
Bottom Overlay:
  text "VCC" at 205,1240 h30
  text "GND" at 210,1140 h30
  text "SCL" at 205,1040 h30
  text "SDA" at 205,940 h30
  text "ADO" at 205,640 h30
  text "INT" at 200,540 h30

## Text inside footprints (layer, text, board x,y; h text height)
U4_12V: Bottom Overlay "VO+" at 2017.48,424.33 h39.37 r270; Bottom Overlay "VI+" at 2017.48,879.33 h39.37 r270; Bottom Overlay "VI-" at 1597.48,874.33 h39.37 r270; Bottom Overlay "VO-" at 1602.48,424.33 h39.37 r270
U5_5V: Top Overlay "VO+" at 1652.48,749.33 h39.37 r90; Top Overlay "VI+" at 1652.48,1204.33 h39.37 r90; Top Overlay "VI-" at 2072.48,1199.33 h39.37 r90; Top Overlay "VO-" at 2067.48,749.33 h39.37 r90